# Altium PCB USB3.2_Hub_4Port.PcbDoc (part 1 of 4) (continued)
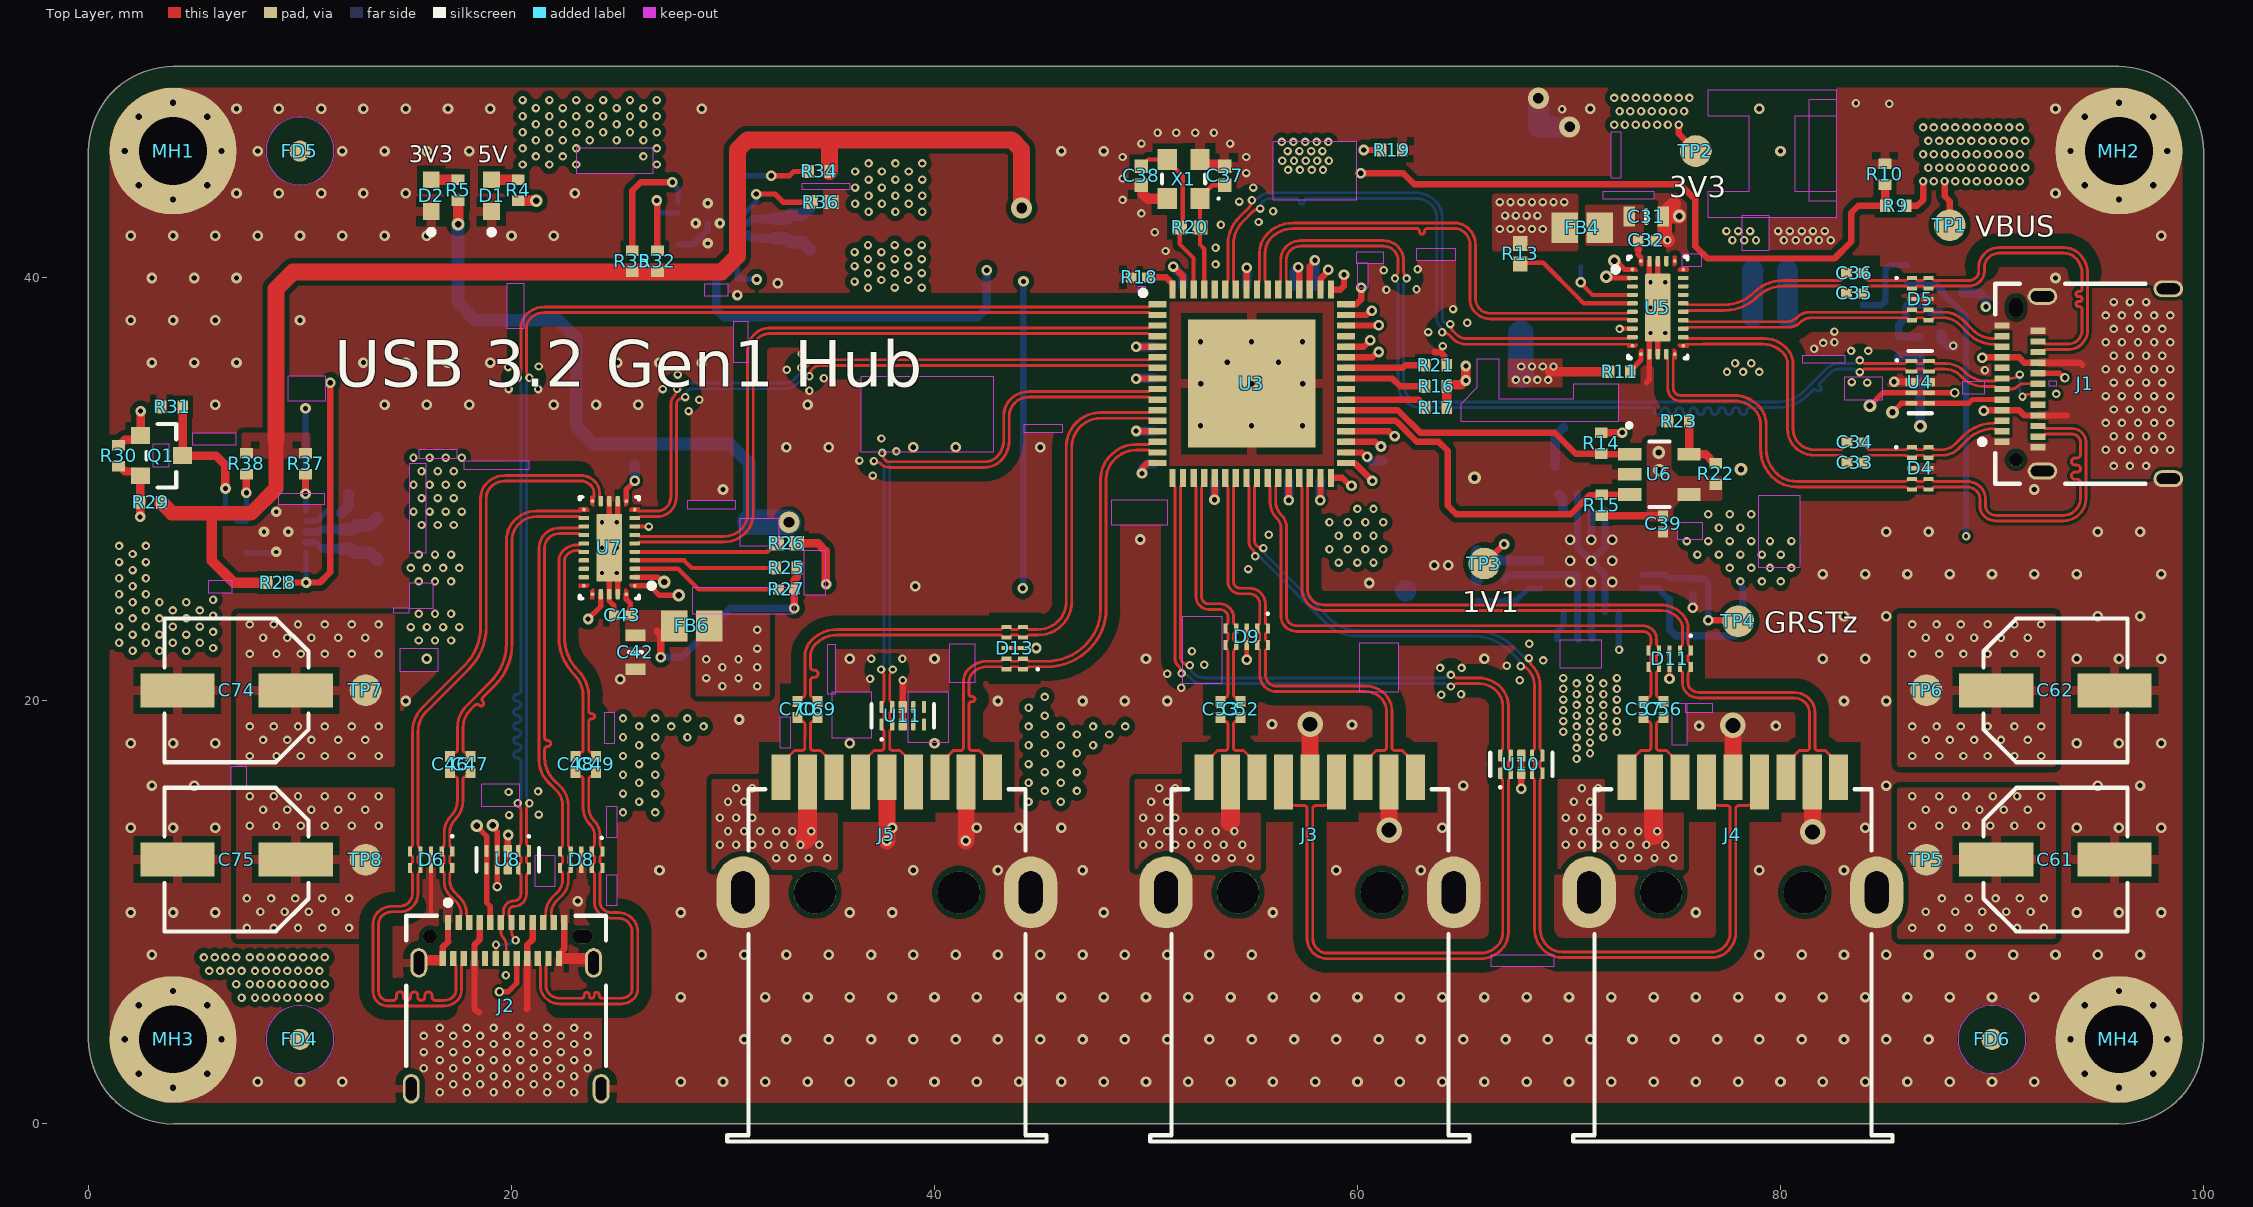
[diagram p0: Top Layer view]
## Design rules (kind name [scope] priority, off if disabled: settings)
BoardOutlineClearance BoardOutlineClearance_EdgeConnectors [InComponent('J1') OR InComponent('J2') OR OnLayer('Top Overlay')] p1: gap=0 ignorepadtopadclearanceinfootprint=FALSE
BoardOutlineClearance [All] p2: gap=1 ignorepadtopadclearanceinfootprint=FALSE
Clearance Clearance_Keepout [All vs IsKeepOut] p1: gap=0 ignorepadtopadclearanceinfootprint=TRUE
Clearance Clearance_USB_DiffVias [(InNetClass('USB_SuperSpeed') OR InNetClass('USB_HighSpeed')) AND IsVia vs (InNetClass('USB_SuperSpeed') OR InNetClass('USB_HighSpeed')) AND IsVia] p2: gap=0.2 ignorepadtopadclearanceinfootprint=FALSE except(0.15: Arc-Via Track-Via SMDPad-Via THPad-Via Via-Via Via-Fill Via-Poly Via-Region Via-Text Via-Hole)
Clearance Clearance_USB_ReturnVias [InNetClass('USB_SuperSpeed') OR InNetClass('USB_HighSpeed') vs InNet('GND') AND IsVia] p3: gap=0.2 ignorepadtopadclearanceinfootprint=TRUE except(0.12: Arc-SMDPad Track-SMDPad; 0.15: SMDPad-SMDPad)
Clearance Clearance_Rooms [WithinRoom('Room_TUSB') OR WithinRoom('Room_USB_UP') OR WithinRoom('Room_UP_MUX') OR WithinRoom('Room_DN_MUX') OR WithinRoom('Room_CONN_GND_1') OR WithinRoom('Room_CONN_GND_2') OR WithinRoom('Room_CONN_GND_3') OR WithinRoom('Room_CONN_GND_4') OR WithinRoom('Room_CONN_GND_5') OR WithinRoom('Room_CONN_GND_6')] p4: gap=0.15 ignorepadtopadclearanceinfootprint=TRUE except(0.12: Arc-Arc Arc-Track Arc-SMDPad Track-Track Track-SMDPad; 0.2: Arc-Text Arc-Hole Track-Text Track-Hole SMDPad-Text SMDPad-Hole THPad-Text THPad-Hole Via-Text Via-Hole Fill-Text Fill-Hole Poly-Text Poly-Hole Region-Text Region-Hole Text-Text Text-Hole)
Clearance Clearance_USB_Shield [InNetClass('USB_SuperSpeed') OR InNetClass('USB_HighSpeed') vs Not InNetClass('USB_SuperSpeed') And Not InNetClass('USB_HighSpeed')] p5: gap=0.6 ignorepadtopadclearanceinfootprint=TRUE except(0.12: Arc-SMDPad Track-SMDPad; 0.15: SMDPad-SMDPad; 0.2: Arc-Text Track-Text SMDPad-Text THPad-Text Via-Text Fill-Text Poly-Text Region-Text Text-Text; 0.254: Arc-Hole Track-Hole SMDPad-Hole THPad-Hole Via-Hole Fill-Hole Poly-Hole Region-Hole Text-Hole)
Clearance [All] p6: gap=0.254 ignorepadtopadclearanceinfootprint=TRUE except(0.12: Arc-Arc Arc-Track Arc-SMDPad Track-Track Track-SMDPad; 0.15: Arc-THPad Arc-Via Track-THPad Track-Via SMDPad-SMDPad SMDPad-THPad SMDPad-Via THPad-THPad THPad-Via Via-Via; 0.2: Arc-Text Track-Text SMDPad-Text THPad-Text Via-Text Fill-Text Poly-Text Region-Text Text-Text)
DiffPairsRouting DiffPairsRouting_USB_HS [InNetClass('USB_HighSpeed')] p1: maxlimit=0.254 minlimit=0.127 mostfreqgap=0.254 toplayer_maxgap=0.127 toplayer_prefgap=0.127 toplayer_minwidth=0.136 toplayer_maxwidth=0.136 toplayer_prefwidth=0.136 bottomlayer_maxgap=0.127 bottomlayer_prefgap=0.127 bottomlayer_minwidth=0.136 bottomlayer_maxwidth=0.136 bottomlayer_prefwidth=0.136 impedanceprofiledriven=TRUE impedanceprofileid={82B703A5-F581-4F9F-BC8E-C241746CB1AA} impedanceprofilevalue=90.000000 maxuncoupledlength=12
DiffPairsRouting DiffPairsRouting_USB_SS [InNetClass('USB_SuperSpeed')] p2: maxlimit=0.127 minlimit=0.127 mostfreqgap=0.127 toplayer_minwidth=0.136 toplayer_maxwidth=0.136 toplayer_prefwidth=0.136 bottomlayer_minwidth=0.136 bottomlayer_maxwidth=0.136 bottomlayer_prefwidth=0.136 impedanceprofiledriven=TRUE impedanceprofileid={82B703A5-F581-4F9F-BC8E-C241746CB1AA} impedanceprofilevalue=90.000000 maxuncoupledlength=5
HoleSize [All] p1: absolutevalues=TRUE maxlimit=6 minlimit=0.15 maxpercent=80.000 minpercent=20.000
HoleToHoleClearance [All] p1: gap=0.3 allowstackedmicrovias=TRUE
Length [InNetClass('USB_SuperSpeed') OR InNetClass('USB_HighSpeed')] p1: maxlimit=100 minlimit=0
MatchedLengths Matched_USB_HS [InNetClass('USB_HighSpeed')] p1: tolerance=3.8 checknetsindiffpair=TRUE checkdiffpairvsdiffpair=FALSE checkxsignals=FALSE checkothers=FALSE
MatchedLengths Matched_USB_SS [InNetClass('USB_SuperSpeed')] p2: tolerance=0.15 checknetsindiffpair=TRUE checkdiffpairvsdiffpair=FALSE checkxsignals=FALSE checkothers=FALSE
MaximumViaCount MaxVia_USB_HS [InNetClass('USB_HighSpeed')] p1: limit=4
MaximumViaCount MaxVia_USB_SS [InNetClass('USB_SuperSpeed')] p2: limit=2
MinimumAnnularRing [All] p1: minimumring=0.1
MinimumSolderMaskSliver [All] p1: minsoldermaskwidth=0
PlaneClearance [All] p1: clearance=0.25
PlaneConnect PlaneConnect_MH [InComponent('MH1') OR InComponent('MH2') OR InComponent('MH3') OR InComponent('MH4')] p1: planeconnectstyle=Direct reliefexpansion=0.508 reliefentries=4 reliefconductorwidth=0.254 reliefairgap=0.254
PlaneConnect [All] p2: pad.planeconnectstyle=Relief pad.reliefexpansion=0.508 pad.reliefentries=4 pad.reliefconductorwidth=0.35 pad.reliefairgap=0.35 via.planeconnectstyle=Direct via.reliefexpansion=0.508 via.reliefentries=4 via.reliefconductorwidth=0.254 via.reliefairgap=0.254
PolygonConnect DirectConnect [InNet('NetL1_1') OR WithinRoom('Room_3V3_1') OR WithinRoom('Room_3V3_2') OR WithinRoom('Room_1V1_F') OR WithinRoom('Room_3V3_UP_MUX') OR WithinRoom('Room_5V_UP_MUX') OR WithinRoom('Room_3V3_DN_MUX') OR WithinRoom('Room_5V_DN_MUX') OR InNet('NetC58_1') OR InNet('NetC71_1') OR WithinRoom('Room_USB_DN4') OR WithinRoom('Room_USB_DN3') OR WithinRoom('Room_USB_DN2') OR InComponent('TP5') OR InComponent('TP6') OR InComponent('TP7') OR InComponent('TP8') OR WithinRoom('Room_DN1_VBUS') OR WithinRoom('Room_DN2_VBUS') OR WithinRoom('Room_DN3_VBUS') OR WithinRoom('Room_DN4_VBUS') OR WithinRoom('Room_USB_UP') OR InNet('NetC44_1') OR WithinRoom('Room_DN1') OR WithinRoom('Room_MEM') OR WithinRoom('Room_5V_DN_1') OR WithinRoom('Room_5V_DN_2') OR WithinRoom('Room_5V_BUCK') OR InComponent('MH1') OR InComponent('MH2') OR InComponent('MH3') OR InComponent('MH4')] p1: connectstyle=Direct reliefconductorwidth=0.254 reliefentries=4 polygonreliefangle="90 Angle" airgapwidth=0.254
PolygonConnect [All] p2: thpad.connectstyle=Relief thpad.reliefconductorwidth=0.35 thpad.reliefentries=4 thpad.polygonreliefangle="90 Angle" thpad.airgapwidth=0.35 smdpad.connectstyle=Relief smdpad.reliefconductorwidth=0.45 smdpad.reliefentries=4 smdpad.polygonreliefangle="90 Angle" smdpad.airgapwidth=0.3 via.connectstyle=Direct via.reliefconductorwidth=0.254 via.reliefentries=4 via.polygonreliefangle="90 Angle" via.airgapwidth=0.254
ReturnPath [InNetClass('USB_SuperSpeed') OR InNetClass('USB_HighSpeed')] p1: impedanceprofileid={82B703A5-F581-4F9F-BC8E-C241746CB1AA} _gaplimit=0.5 _useantipads=TRUE maxstitchviadistance=2
RoomDefinition Room_USB_DN4 [InComponentClass('Room Definition1')] p1 off: confinementstyle=ConfineIn formatcopy=TRUE lockcomponents=FALSE outline 66.421,-1.321 86.233,-1.321 86.233,20.837 66.421,20.837
RoomDefinition Room_CONN_GND_3 [False] p2 off: confinementstyle=ConfineIn formatcopy=TRUE lockcomponents=FALSE outline 42.862,23.461 45.72,23.461 45.72,21.524 42.862,21.524
RoomDefinition Room_CONN_GND_5 [False] p3 off: confinementstyle=ConfineIn formatcopy=TRUE lockcomponents=FALSE outline 66.75,17.824 68.75,17.824 68.75,15.288 66.75,15.288
RoomDefinition Room_CONN_GND_2 [False] p4 off: confinementstyle=ConfineIn formatcopy=TRUE lockcomponents=FALSE outline 37.5,21.057 39.394,21.057 39.394,18.521 37.5,18.521
RoomDefinition Room_CONN_GND_6 [False vs False] p5 off: confinementstyle=ConfineIn formatcopy=TRUE lockcomponents=FALSE outline 73.752,22.867 75.752,22.867 75.752,20.523 73.752,20.523
RoomDefinition Room_CONN_GND_4 [False vs False] p6 off: confinementstyle=ConfineIn formatcopy=TRUE lockcomponents=FALSE outline 53.815,23.655 55.779,23.655 55.779,21.311 53.815,21.311
RoomDefinition Room_CONN_GND_1 [False] p7 off: confinementstyle=ConfineIn formatcopy=TRUE lockcomponents=FALSE outline 15.138,14.199 24.257,14.199 24.257,5.156 15.138,5.156
RoomDefinition Room_TUSB [False vs False] p8 off: confinementstyle=ConfineIn formatcopy=TRUE lockcomponents=FALSE outline 48.108,42.215 61.874,42.215 61.874,28.727 48.108,28.727
RoomDefinition Room_5V_BUCK [InComponentClass('Components Class1') vs False] p9 off: confinementstyle=ConfineIn formatcopy=TRUE lockcomponents=FALSE outline 85.979,47.879 85.979,42.926 84.963,41.91 84.963,40.132 92.71,40.132 92.71,47.879
RoomDefinition Room_5V_DN_2 [False vs False] p10 off: confinementstyle=ConfineIn formatcopy=TRUE lockcomponents=FALSE outline 0.838,28.092 6.833,28.092 6.833,21.793 0.838,21.793
RoomDefinition Room_5V_DN_1 [False vs False] p11 off: confinementstyle=ConfineIn formatcopy=TRUE lockcomponents=FALSE outline 19.888,49.149 27.432,49.149 27.432,44.729 19.888,44.729
RoomDefinition Room_MEM [All vs False] p12 off: confinementstyle=ConfineOut formatcopy=TRUE lockcomponents=FALSE outline 77.597,29.21 77.597,30.861 75.311,30.861 75.057,31.115 75.057,32.766 73.533,32.766 73.533,28.321 75.184,28.321 76.073,29.21
RoomDefinition Room_DN1 [False vs False] p13 off: confinementstyle=ConfineIn formatcopy=TRUE lockcomponents=FALSE outline 4.775,8.534 12.954,8.534 12.954,5.359 4.775,5.359
RoomDefinition Room_UP_MUX [False vs False] p14 off: confinementstyle=ConfineIn formatcopy=TRUE lockcomponents=FALSE outline 69.501,41.05 76.962,41.05 76.962,35.568 69.501,35.568
RoomDefinition Room_DN_MUX [False] p15 off: confinementstyle=ConfineIn formatcopy=TRUE lockcomponents=FALSE outline 22.241,31.267 31.852,31.267 31.852,24.282 22.241,24.282
RoomDefinition Room_USB_UP [InComponentClass('Room Definition5') vs False] p16 off: confinementstyle=ConfineIn formatcopy=TRUE lockcomponents=FALSE outline 84.82,27.483 101.321,27.483 101.321,40.869 84.82,40.869
RoomDefinition Room_USB_DN1 [InComponentClass('Room Definition4') vs False] p17 off: confinementstyle=ConfineIn formatcopy=TRUE lockcomponents=FALSE outline 10.998,0 27.305,0 27.305,14.044 10.998,14.044
RoomDefinition Room_DN4_VBUS [All vs False] p18 off: confinementstyle=ConfineOut formatcopy=TRUE lockcomponents=FALSE outline 33.325,42.367 33.325,44.145 34.976,44.145 34.976,46.05 40.437,46.05 40.437,42.367
RoomDefinition Room_DN3_VBUS [All vs False] p19 off: confinementstyle=ConfineOut formatcopy=TRUE lockcomponents=FALSE outline 33.325,42.215 33.325,40.437 34.976,40.437 34.976,38.532 40.437,38.532 40.437,42.215
RoomDefinition Room_DN2_VBUS [All vs False] p20 off: confinementstyle=ConfineOut formatcopy=TRUE lockcomponents=FALSE outline 12.827,27.813 18.161,27.813 18.161,32.004 14.732,32.004 14.732,29.464 12.827,29.464
RoomDefinition Room_DN1_VBUS [All vs False] p21 off: confinementstyle=ConfineOut formatcopy=TRUE lockcomponents=FALSE outline 12.827,27.559 18.161,27.559 18.161,22.352 14.732,22.352 14.732,25.908 12.827,25.908
RoomDefinition Room_USB_DN2 [InComponentClass('Room Definition3') vs False] p22 off: confinementstyle=ConfineIn formatcopy=TRUE lockcomponents=FALSE outline 26.492,-1.321 46.304,-1.321 46.304,18.567 26.492,18.567
RoomDefinition Room_USB_DN3 [InComponentClass('Room Definition2') vs False] p23 off: confinementstyle=ConfineIn formatcopy=TRUE lockcomponents=FALSE outline 46.482,-1.321 66.294,-1.321 66.294,18.567 46.482,18.567
RoomDefinition Room_5V_DN_MUX [False vs False] p24 off: confinementstyle=ConfineIn formatcopy=TRUE lockcomponents=FALSE outline 25.197,24.359 32.36,24.359 32.36,20.117 25.197,20.117
RoomDefinition Room_3V3_DN_MUX [False vs False] p25 off: confinementstyle=ConfineIn formatcopy=TRUE lockcomponents=FALSE outline 25.832,29.261 30.455,29.261 30.455,27.584 25.832,27.584
RoomDefinition Room_5V_UP_MUX [False vs False] p26 off: confinementstyle=ConfineIn formatcopy=TRUE lockcomponents=FALSE outline 66.142,44.069 73.685,44.069 73.685,41.275 66.142,41.275
RoomDefinition Room_3V3_UP_MUX [False vs False] p27 off: confinementstyle=ConfineIn formatcopy=TRUE lockcomponents=FALSE outline 68.555,38.71 73.076,38.71 73.076,36.5 68.555,36.5
RoomDefinition Room_1V1_F [False vs False] p28 off: confinementstyle=ConfineIn formatcopy=TRUE lockcomponents=FALSE outline 63.271,25.908 56.21,25.908 56.21,30.785 63.271,30.785
RoomDefinition Room_3V3_2 [False vs False] p29 off: confinementstyle=ConfineIn formatcopy=TRUE lockcomponents=FALSE outline 71.984,29.896 81.077,29.896 81.077,24.841 71.984,24.841
RoomDefinition Room_3V3_1 [False vs False] p30 off: confinementstyle=ConfineIn formatcopy=TRUE lockcomponents=FALSE outline 63.017,49.149 78.613,49.149 78.613,43.866 63.017,43.866
RoutingVias [All] p1: holewidth=0.3 width=0.6 viastyle="Through Hole" minholewidth=0.15 minwidth=0.4 maxholewidth=1 maxwidth=2
SilkToSilkClearance [All] p1: silktosilkclearance=0.15
SilkToSolderMaskClearance [IsPad] p1: minsilkscreentomaskgap=0 clearancetoexposedcopper=TRUE
SolderMaskExpansion [All] p1: expansion=0.076 istentingtop=FALSE
SupplyNets "Schematic Supply Nets_13" [InNet('5V_UP_MUX')] p1: voltage=0.000
SupplyNets "Schematic Supply Nets_12" [InNet('3V3_VDD_F')] p2: voltage=0.000
SupplyNets "Schematic Supply Nets_11" [InNet('5V_DN_MUX')] p3: voltage=0.000
SupplyNets "Schematic Supply Nets_10" [InNet('5V_VBUS')] p4: voltage=0.000
SupplyNets "Schematic Supply Nets_9" [InNet('3V3_VDD')] p5: voltage=0.000
SupplyNets "Schematic Supply Nets_8" [InNet('GND')] p6: voltage=0.000
SupplyNets "Schematic Supply Nets_7" [InNet('3V3_UP_MUX')] p7: voltage=0.000
SupplyNets "Schematic Supply Nets_6" [InNet('1V1_VDD')] p8: voltage=0.000
SupplyNets "Schematic Supply Nets_5" [InNet('DN1_VBUS')] p9: voltage=0.000
SupplyNets "Schematic Supply Nets_4" [InNet('3V3_DN_MUX')] p10: voltage=0.000
SupplyNets "Schematic Supply Nets_3" [InNet('DN4_VBUS')] p11: voltage=0.000
SupplyNets "Schematic Supply Nets_2" [InNet('1V1_VDD_F')] p12: voltage=0.000
SupplyNets "Schematic Supply Nets_1" [InNet('DN3_VBUS')] p13: voltage=0.000
SupplyNets "Schematic Supply Nets" [InNet('DN2_VBUS')] p14: voltage=0.000
UnRoutedNet [All] p1: checkbadconnections=TRUE
ViasUnderSMD [All] p1: allowed=TRUE
Width Width_Power [InNetClass('Power_Nets')] p1: maxlimit=3 minlimit=0.2 preferedwidth=0.5
Width [All] p2: maxlimit=1 minlimit=0.12 preferedwidth=0.25
21 further rules are at their usual default settings.

## Classes and differential pairs
component class "Components Class1": C12
component class "Room Definition5": C28 D3 J1
component class "Room Definition4": C44 C45 D7 FB7 J2
component class "Room Definition3": C67 C68 D14 FB11 J5
component class "Room Definition2": C50 C51 D10 FB8 J3
component class "Room Definition1": C54 C55 D12 FB9 J4
net class Power_Nets: 1V1_VDD 1V1_VDD_F 3V3_DN_MUX 3V3_UP_MUX 3V3_VDD 3V3_VDD_F 5V_DN_MUX 5V_UP_MUX 5V_VBUS DN1_VBUS DN2_VBUS DN3_VBUS DN4_VBUS GND
net class USB_SuperSpeed: SSRX1_DN1_CONN_N SSRX1_DN1_CONN_P SSRX1_UP_CONN_N SSRX1_UP_CONN_P SSRX2_DN1_CONN_N SSRX2_DN1_CONN_P SSRX2_UP_CONN_N SSRX2_UP_CONN_P SSTX1_DN1_C_N SSTX1_DN1_C_P SSTX1_DN1_CONN_N SSTX1_DN1_CONN_P SSTX1_UP_C_N SSTX1_UP_C_P SSTX1_UP_CONN_N SSTX1_UP_CONN_P SSTX2_DN1_C_N SSTX2_DN1_C_P SSTX2_DN1_CONN_N SSTX2_DN1_CONN_P SSTX2_UP_C_N SSTX2_UP_C_P SSTX2_UP_CONN_N SSTX2_UP_CONN_P SSTX_DN2_C_N SSTX_DN2_C_P SSTX_DN3_C_N SSTX_DN3_C_P SSTX_DN4_C_N SSTX_DN4_C_P USB_SSRX_DN1_N USB_SSRX_DN1_P USB_SSRX_DN2_N USB_SSRX_DN2_P USB_SSRX_DN3_N USB_SSRX_DN3_P USB_SSRX_DN4_N USB_SSRX_DN4_P USB_SSRX_UP_N USB_SSRX_UP_P USB_SSTX_DN1_N USB_SSTX_DN1_P USB_SSTX_DN2_N USB_SSTX_DN2_P USB_SSTX_DN3_N USB_SSTX_DN3_P USB_SSTX_DN4_N USB_SSTX_DN4_P USB_SSTX_UP_N USB_SSTX_UP_P
net class USB_HighSpeed: USB_DN1_N USB_DN1_P USB_DN2_N USB_DN2_P USB_DN3_N USB_DN3_P USB_DN4_N USB_DN4_P USB_UP_N USB_UP_P
component class Designator: C1 C2 C3 C4 C5 C6 C7 C8 C9 C10 C11 C12 C13 C14 C15 C16 C17 C18 C19 C20 C21 C22 C23 C24 C25 C26 C27 D1 D2 FB1 FB2 FD1 FD2 FD3 FD4 FD5 FD6 L1 MH1 MH2 MH3 MH4 R1 R2 R3 R4 R5 R6 R7 R8 TP1 TP2 TP3 U1 U2
differential pair USB_UP: +USB_UP_P -USB_UP_N
differential pair USB_SSTX_UP: +USB_SSTX_UP_P -USB_SSTX_UP_N
differential pair USB_SSTX_DN4: +USB_SSTX_DN4_P -USB_SSTX_DN4_N
differential pair USB_SSTX_DN3: +USB_SSTX_DN3_P -USB_SSTX_DN3_N
differential pair USB_SSTX_DN2: +USB_SSTX_DN2_P -USB_SSTX_DN2_N
differential pair USB_SSTX_DN1: +USB_SSTX_DN1_P -USB_SSTX_DN1_N
differential pair USB_SSRX_UP: +USB_SSRX_UP_P -USB_SSRX_UP_N
differential pair USB_SSRX_DN4: +USB_SSRX_DN4_P -USB_SSRX_DN4_N
differential pair USB_SSRX_DN3: +USB_SSRX_DN3_P -USB_SSRX_DN3_N
differential pair USB_SSRX_DN2: +USB_SSRX_DN2_P -USB_SSRX_DN2_N
differential pair USB_SSRX_DN1: +USB_SSRX_DN1_P -USB_SSRX_DN1_N
differential pair USB_DN4: +USB_DN4_P -USB_DN4_N
differential pair USB_DN3: +USB_DN3_P -USB_DN3_N
differential pair USB_DN2: +USB_DN2_P -USB_DN2_N
differential pair USB_DN1: +USB_DN1_P -USB_DN1_N
differential pair SSTX_DN4_C: +SSTX_DN4_C_P -SSTX_DN4_C_N
differential pair SSTX_DN3_C: +SSTX_DN3_C_P -SSTX_DN3_C_N
differential pair SSTX_DN2_C: +SSTX_DN2_C_P -SSTX_DN2_C_N
differential pair SSTX2_UP_CONN: +SSTX2_UP_CONN_P -SSTX2_UP_CONN_N
differential pair SSTX2_UP_C: +SSTX2_UP_C_P -SSTX2_UP_C_N
differential pair SSTX2_DN1_CONN: +SSTX2_DN1_CONN_P -SSTX2_DN1_CONN_N
differential pair SSTX2_DN1_C: +SSTX2_DN1_C_P -SSTX2_DN1_C_N
differential pair SSTX1_UP_CONN: +SSTX1_UP_CONN_P -SSTX1_UP_CONN_N
differential pair SSTX1_UP_C: +SSTX1_UP_C_P -SSTX1_UP_C_N
differential pair SSTX1_DN1_CONN: +SSTX1_DN1_CONN_P -SSTX1_DN1_CONN_N
differential pair SSTX1_DN1_C: +SSTX1_DN1_C_P -SSTX1_DN1_C_N
differential pair SSRX2_UP_CONN: +SSRX2_UP_CONN_P -SSRX2_UP_CONN_N
differential pair SSRX2_DN1_CONN: +SSRX2_DN1_CONN_P -SSRX2_DN1_CONN_N
differential pair SSRX1_UP_CONN: +SSRX1_UP_CONN_P -SSRX1_UP_CONN_N
differential pair SSRX1_DN1_CONN: +SSRX1_DN1_CONN_P -SSRX1_DN1_CONN_N

## Components (designator, comment, footprint, x,y, rotation, side; value= is the part's Value field where it differs from the comment)
C1 "10u" FP-GRM21B-0_2-e0_2_0_7-IPC_B 62.281,26.035 r270 bottom
C2 "100n" FP-GRT155-0_05-IPC_C 54.75,39.229 r270 bottom
C3 "100n" FP-GRT155-0_05-IPC_C 57.975,39.229 r270 bottom
C4 "100n" FP-GRT155-0_05-IPC_C 50.771,36.754 r0 bottom
C5 "100n" FP-GRT155-0_05-IPC_C 50.771,35.25 r0 bottom
C6 "100n" FP-GRT155-0_05-IPC_C 50.771,32.75 r0 bottom
C7 "100n" FP-GRT155-0_05-IPC_C 53.25,30.771 r90 bottom
C8 "100n" FP-GRT155-0_05-IPC_C 58.25,30.771 r90 bottom
C9 "100n" FP-GRT155-0_05-IPC_C 56.75,30.771 r90 bottom
C10 "6.8p" FP-GCM155-0_05-IPC_B 86.6,36.75 r90 bottom
C11 "10u" FP-GRM21B-0_2-e0_2_0_7-IPC_B 89.687,40.919 r0 bottom
C12 "100n" FP-GRT155-0_05-IPC_C 89.586,42.393 r0 bottom
C13 "10u" FP-GRM21B-0_2-e0_2_0_7-IPC_B 79.496,40.35 r0 bottom
C14 "10u" FP-GRM21B-0_2-e0_2_0_7-IPC_B 79.496,38.15 r0 bottom
C15 "100n" FP-GRT155-0_05-IPC_C 80.146,36.575 r0 bottom
C16 "10u" FP-GRM21B-0_2-e0_2_0_7-IPC_B 68.58,46.33 r90 bottom
C17 "100n" FP-GRT155-0_05-IPC_C 57,39.229 r270 bottom
C18 "100n" FP-GRT155-0_05-IPC_C 51.75,39.221 r270 bottom
C19 "100n" FP-GRT155-0_05-IPC_C 61.595,31.344 r0 bottom
C20 "100n" FP-GRT155-0_05-IPC_C 50.771,31.225 r0 bottom
C21 "4.7u" FP-GRM21B-0_2-e0_2_0_7-IPC_A 81.077,28.854 r0 bottom
C22 "4.7u" FP-GRM21B-0_2-e0_2_0_7-IPC_A 75.55,29.851 r90 bottom
C23 "100n" FP-GRT155-0_05-IPC_C 73.736,29.769 r90 bottom
C24 "10u" FP-GRM21B-0_2-e0_2_0_7-IPC_B 70.18,31.1 r0 bottom
C25 "100n" FP-GRT155-0_05-IPC_C 70.13,32.92 r0 bottom
C26 "2.2n" FP-AC0402-0_5-MFG 69.95,22.925 r180 bottom value="2.2 nF"
C27 "1u" FP-GRM155-0_1-IPC_C 75.85,25.404 r270 bottom
C28 "1u" CAPC1608X90N 95.733,40.818 r270 bottom
C29 "1u" CAPC1608X90N 70.95,36.15 r90 bottom
C30 "100n" FP-GRT155-0_05-IPC_C 72.085,36.551 r270 bottom
C31 "1u" CAPC1608X90N 73.65,42.9 r180 top
C32 "100n" FP-GRT155-0_05-IPC_C 73.65,41.775 r0 top
C33 "100n" FP-GRT155-0_05-IPC_C 83.515,31.267 r0 top
C34 "100n" FP-GRT155-0_05-IPC_C 83.515,32.233 r0 top
C35 "100n" FP-GRT155-0_05-IPC_C 83.49,39.268 r0 top
C36 "100n" FP-GRT155-0_05-IPC_C 83.49,40.234 r0 top
C37 "15pF" CAPC1005X56N 53.721,44.831 r270 top
C38 "15pF" CAPC1005X56N 49.784,44.831 r90 top
C39 "100n" FP-GRT155-0_05-IPC_C 74.447,28.372 r270 top
C40 "1u" CAPC1608X90N 27.889,29.718 r270 bottom
C41 "100n" FP-GRT155-0_05-IPC_C 26.797,29.3 r90 bottom
C42 "1u" CAPC1608X90N 25.857,22.301 r90 top
C43 "100n" FP-GRT155-0_05-IPC_C 25.248,24.054 r180 top
C44 "100n" FP-GRT155-0_05-IPC_C 13.15,2 r180 bottom
C45 "1u" CAPC1608X90N 12.725,3 r0 bottom
C46 "100n" FP-GRT155-0_05-IPC_C 17.094,17 r270 top
C47 "100n" FP-GRT155-0_05-IPC_C 18.059,17 r270 top
C48 "100n" FP-GRT155-0_05-IPC_C 23.038,17 r270 top
C49 "100n" FP-GRT155-0_05-IPC_C 24.003,17 r270 top
C50 "1u" CAPC1608X90N 48,14 r0 bottom
C51 "100n" FP-GRT155-0_05-IPC_C 48.148,12.975 r180 bottom
C52 "100n" FP-GRT155-0_05-IPC_C 54.475,19.6 r270 top
C53 "100n" FP-GRT155-0_05-IPC_C 53.525,19.6 r270 top
C54 "1u" CAPC1608X90N 68,14 r0 bottom
C55 "100n" FP-GRT155-0_05-IPC_C 68.148,12.975 r180 bottom
C56 "100n" FP-GRT155-0_05-IPC_C 74.475,19.6 r270 top
C57 "100n" FP-GRT155-0_05-IPC_C 73.525,19.6 r270 top
C58 "4.7u" FP-GRM21B-0_2-e0_2_0_7-IPC_A 24.478,41.235 r270 bottom
C59 "100n" FP-GRT155-0_05-IPC_C 25.878,41.307 r270 bottom
C60 "100n" FP-GRT155-0_05-IPC_C 26.878,41.307 r270 bottom
C61 "47u" WCAP-ASLL_D6.3H5.5 93,12.5 r180 top
C62 "47u" WCAP-ASLL_D6.3H5.5 93,20.5 r180 top
C63 "10u" FP-GRM21B-0_2-e0_2_0_7-IPC_B 34.087,40.538 r270 bottom
C64 "100n" FP-GRT155-0_05-IPC_C 32.436,41.504 r270 bottom
C65 "10u" FP-GRM21B-0_2-e0_2_0_7-IPC_B 34.087,44.145 r90 bottom
C66 "100n" FP-GRT155-0_05-IPC_C 32.436,43.18 r90 bottom
C67 "1u" CAPC1608X90N 27.991,13.208 r0 bottom
C68 "100n" FP-GRT155-0_05-IPC_C 28.854,11.887 r270 bottom
C69 "100n" FP-GRT155-0_05-IPC_C 34.476,19.6 r270 top
C70 "100n" FP-GRT155-0_05-IPC_C 33.526,19.6 r270 top
C71 "4.7u" FP-GRM21B-0_2-e0_2_0_7-IPC_A 4.267,30.099 r90 bottom
C72 "100n" FP-GRT155-0_05-IPC_C 6.55,26.8 r270 bottom
C73 "100n" FP-GRT155-0_05-IPC_C 5.55,26.779 r270 bottom
C74 "47u" WCAP-ASLL_D6.3H5.5 7,20.5 r0 top
C75 "47u" WCAP-ASLL_D6.3H5.5 7,12.5 r0 top
C76 "10u" FP-GRM21B-0_2-e0_2_0_7-IPC_B 13.64,25.857 r270 bottom
C77 "100n" FP-GRT155-0_05-IPC_C 11.95,26.821 r270 bottom
C78 "10u" FP-GRM21B-0_2-e0_2_0_7-IPC_B 13.64,29.464 r90 bottom
C79 "100n" FP-GRT155-0_05-IPC_C 11.95,28.5 r90 bottom
D1 "Green" FP-LTST-C190KGKT-MFG 19.057,43.894 r90 top
D2 "Blue" FP-LTST-C193TBKT-5A-MFG 16.207,43.894 r90 top
D3 "SMAJ5.0A" BOUR-SMA-2_V 95.834,27.356 r90 bottom
D4 "PUSB3FR4Z" FP-SOT1176-1-MFG 86.6,31 r90 top
D5 "PUSB3FR4Z" FP-SOT1176-1-MFG 86.6,39 r90 top
D6 "PUSB3FR4Z" FP-SOT1176-1-MFG 16.2,12.5 r0 top
D7 "SMAJ5.0A" BOUR-SMA-2_V 28,4.85 r180 bottom
D8 "PUSB3FR4Z" FP-SOT1176-1-MFG 23.3,12.5 r0 top
D9 "PUSB3FR4Z" FP-SOT1176-1-MFG 54.762,23.038 r0 top
D10 "SMAJ5.0A" BOUR-SMA-2_V 57.6,14.5 r180 bottom
D11 "PUSB3FR4Z" FP-SOT1176-1-MFG 74.752,22 r0 top
D12 "SMAJ5.0A" BOUR-SMA-2_V 77.6,14.5 r180 bottom
D13 "PUSB3FR4Z" FP-SOT1176-1-MFG 43.787,22.5 r270 top
D14 "SMAJ5.0A" BOUR-SMA-2_V 37.6,14.5 r180 bottom
FB1 "220 @ 100Mhz" FP-BLM21-0_2-t0_85-e0_5-IPC_B 63.221,28.804 r180 bottom
FB2 "220 @ 100Mhz" FP-BLM21-0_2-t0_85-e0_5-IPC_B 71.649,45.511 r180 bottom
FB3 "220 @ 100Mhz" FP-BLM21-0_2-t0_85-e0_5-IPC_B 68.551,37.4 r0 bottom
FB4 "220 @ 100Mhz" FP-BLM21-0_2-t0_85-e0_5-IPC_B 70.625,42.375 r0 top
FB5 "220 @ 100Mhz" FP-BLM21-0_2-t0_85-e0_5-IPC_B 30.429,28.448 r180 bottom
FB6 "220 @ 100Mhz" FP-BLM21-0_2-t0_85-e0_5-IPC_B 28.524,23.546 r180 top
FB7 "220 @ 100Mhz" FP-BLM21-0_2-t0_85-e0_5-IPC_B 13.056,7.239 r0 bottom
FB8 "220 @ 100Mhz" FP-BLM21-0_2-t0_85-e0_5-IPC_B 49,16.5 r270 bottom
FB9 "220 @ 100Mhz" FP-BLM21-0_2-t0_85-e0_5-IPC_B 69,16.5 r270 bottom
FB10 "220 @ 100Mhz" FP-BLM21-0_2-t0_85-e0_5-IPC_B 24.478,44.636 r270 bottom
FB11 "220 @ 100Mhz" FP-BLM21-0_2-t0_85-e0_5-IPC_B 29,16.5 r270 bottom
FB12 "220 @ 100Mhz" FP-BLM21-0_2-t0_85-e0_5-IPC_B 4.216,26.695 r90 bottom
FD1 "Fiducial_Marker" Fiducial_Standard#1 90,4 r180 bottom locked
FD2 "Fiducial_Marker" Fiducial_Standard#1 10,46 r180 bottom locked
FD3 "Fiducial_Marker" Fiducial_Standard#1 10,4 r180 bottom locked
FD4 "Fiducial_Marker" Fiducial_Standard#2 10,4 r0 top locked
FD5 "Fiducial_Marker" Fiducial_Standard#2 10,46 r0 top locked
FD6 "Fiducial_Marker" Fiducial_Standard#2 90,4 r0 top locked
J1 "12401610E4#2A" FP-12401610E4#2A-MFG 95.5,35 r90 top locked
J2 "12401610E4#2A" FP-12401610E4#2A-MFG 19.75,4.5 r0 top locked
J3 "692122030100" 692122030100 57.75,7.5 r0 top locked
J4 "692122030100" 692122030100 77.75,7.5 r0 top locked
J5 "692122030100" 692122030100 37.75,7.5 r0 top locked
L1 "2.2uH" IND_ETQP3M3R3YFP 79.604,45.872 r180 bottom
MH1 "Mounting_Hole_M3" MH_M3_Stitched 4,46 r0 top locked
MH2 "Mounting_Hole_M3" MH_M3_Stitched 96,46 r0 top locked
MH3 "Mounting_Hole_M3" MH_M3_Stitched 4,4 r0 top locked
MH4 "Mounting_Hole_M3" MH_M3_Stitched 96,4 r0 top locked
Q1 "DMG2305UX-13" FP-SOT23-MFG 3.45,31.6 r0 top
R1 "453k" FP-ERJ2RK-MFG 85.575,36.75 r270 bottom
R2 "100k" FP-AC0402-MFG 88.15,39.35 r0 bottom
R3 "100k" FP-AC0402-MFG 87.579,37.846 r90 bottom
R4 "2.2k" FP-AC0402-MFG 20.32,44.145 r270 top
R5 "470" FP-AC0402-MFG 17.475,44.145 r270 top
R6 "100k" FP-AC0402-MFG 74.75,25.325 r270 bottom
R7 "1.87k" FP-AC0402-IPC_A 65.65,25.225 r90 bottom
R8 "4.99k" FP-AC0402-IPC_A 66.95,25.225 r270 bottom
R9 "90.9k" FP-AC0402-MFG 85.446,43.409 r0 top
R10 "10k" FP-AC0402-MFG 84.938,44.899 r270 top
R11 "200k" FP-AC0402-MFG 72.39,35.56 r180 top
R12 "4.7k" FP-AC0402-MFG 70.053,40.538 r0 bottom
R13 "909k" FP-AC0402-IPC_A 67.691,41.148 r270 top
R14 "4.7k" FP-AC0402-MFG 71.526,32.182 r90 top
R15 "4.7k" FP-AC0402-MFG 71.552,29.261 r270 top
R16 "10k" FP-AC0402-MFG 63.711,34.873 r180 top
R17 "10k" FP-AC0402-MFG 63.711,33.873 r180 top
R18 "9.53k" FP-AC0402-IPC_C 49.682,40.03 r180 top
R19 "10k" FP-AC0402-MFG 61.62,46.05 r180 top
R20 "1M" FP-AC0402-IPC_A 52.07,42.393 r180 top
R21 "10k" FP-AC0402-MFG 63.711,35.873 r0 top
R22 "10k" FP-AC0402-MFG 76.937,30.734 r90 top
R23 "10k" FP-AC0402-MFG 75.184,33.223 r180 top
R24 "200k" FP-AC0402-MFG 25.832,31.648 r90 bottom
R25 "4.7k" FP-AC0402-MFG 33,26.289 r180 top
R26 "909k" FP-AC0402-IPC_A 33,27.457 r180 top
R27 "499k" FP-AC0402-IPC_C 33,25.273 r180 top
R28 "10k" FP-AC0402-MFG 8.95,25.6 r0 top
R29 "10k" FP-AC0402-MFG 2.946,29.388 r180 top
R30 "100k" FP-AC0402-MFG 1.422,31.6 r90 top
R31 "100k" FP-AC0402-MFG 3.95,33.9 r0 top
R32 "10k" FP-AC0402-MFG 26.903,40.785 r90 top
R33 "10k" FP-AC0402-MFG 30.175,39.98 r0 bottom
R34 "10k" FP-AC0402-MFG 34.544,45.034 r180 top
R35 "10k" FP-AC0402-MFG 25.703,40.785 r90 top
R36 "56k" FP-AC0402-IPC_A 34.616,43.586 r180 top
R37 "10k" FP-AC0402-MFG 10.262,31.217 r270 top
R38 "10k" FP-AC0402-MFG 7.468,31.217 r270 top
R39 "37.4k" FP-AC0402-IPC_B 11.481,30.632 r270 bottom
TP1 "Test_Point" Test_Point#1 88,42.5 r0 bottom
TP2 "Test_Point" Test_Point#1 76,46 r270 bottom
TP3 "Test_Point" Test_Point#2 66,26.5 r270 top
TP4 "Test_Point" Test_Point#1 78.003,23.774 r270 bottom
TP5 "Test_Point" Test_Point#2 86.9,12.5 r90 top
TP6 "Test_Point" Test_Point#2 86.9,20.5 r90 top
TP7 "Test_Point" Test_Point#3 12.7,20.5 r90 top
TP8 "Test_Point" Test_Point#3 12.7,12.5 r90 top
U1 "TLV62569PDDCT" FP-DDC0006A-IPC_C 84.926,39.667 r0 bottom
U2 "TPS74801RGWRM3" TI-RGW20-3150X3150TP_V 71.05,26.625 r270 bottom
U3 "TUSB8044ARGCR" QFN50P900X900X100-65N-D 55,35 r0 top locked
U4 "TPD4E05U06QDQARQ1" FP-DQA0010A-MFG 86.6,35.075 r0 top value=0.5pF
U5 "HD3SS3220IRNHT" FP-RNH0030A-MFG 74.2,38.6 r0 top locked
U6 "24LC08BT-I/OT" FP-C04-091-OT-MFG 74.276,30.716 r0 top
U7 "HD3SS3220IRNHT" FP-RNH0030A-MFG 24.625,27.25 r180 top
U8 "TPD4E05U06QDQARQ1" FP-DQA0010A-MFG 19.825,12.5 r270 top value=0.5pF
U9 "TPS2561QDRCRQ1" DRC0010A_V 29.278,42.585 r0 bottom
U10 "TPD4E05U06QDQARQ1" FP-DQA0010A-MFG 67.75,17 r90 top value=0.5pF
U11 "TPD4E05U06QDQARQ1" FP-DQA0010A-MFG 38.5,19.3 r90 top value=0.5pF
U12 "TPS2561QDRCRQ1" DRC0010A_V 8.875,28 r0 bottom
X1 "24MHz" ABM10N240000MHZ10B1UT3 51.779,44.679 r90 top

## Footprints (in the part's own frame and the unit in brackets; to place one, negate y for a bottom-side part, rotate by r counter-clockwise, add the part's x,y. Pads: shape width x height; smd on the part's side, far side on the other; paste and mask are expansions set on the pad)
692122030100 [mm] "USB 3.0 Type A Horizontal SMD"
  rect 0.9x2.6 smd: 1(-3.75,8.67) 2(-1.25,8.67) 3(1.25,8.67) 4(3.75,8.67)
  rect 0.9x2.15 smd: 5(5,8.895) 6(2.5,8.895) 7(0,8.895) 8(-2.5,8.895) 9(-5,8.895)
  round 2 hole 2 unplated: MH1(-3.4,3.45) MH2(3.4,3.45)
  oval 2.52x3.4 hole 1.12 slot 2 at 90 deg: Shell(-6.8,3.45) Shell(6.8,3.45)
  silkscreen extent -7.55,-8.33 7.55,8.33, body extent -7.55,-8.33 7.55,9.47, height 7.95
ABM10N240000MHZ10B1UT3 [mm]
  rect 1x0.9 smd: 1(-0.925,-0.775) 2(0.925,-0.775) 3(0.925,0.775) 4(-0.925,0.775)
  silkscreen extent -0.97,-1.7 0.2,1.02, body extent -1.28,-1.02 1.28,1.02, height 0.65
BOUR-SMA-2_V [mm] "SMA, 2-Leads, Body 4.57x2.92mm"
  rect 1.27x2.1 smd: 1(-1.985,0) 2(1.985,0)
  silkscreen extent -2.3,-1.5 3.12,1.5, body extent -2.5,-1.46 2.5,1.46, height 2.62
CAPC1005X56N [mm]
  rect 0.65x0.64 smd: 1(-0.45,0) 2(0.45,0)
  body extent -0.5,-0.25 0.5,0.25, height 0.56
CAPC1608X90N [mm]
  rect 0.54x0.94 smd: 1(-0.8,0) 2(0.8,0)
  silkscreen extent 0,-0.3 0,0.3, body extent -0.8,-0.46 0.8,0.44, height 0.8
DRC0010A_V [mm] "SON, 10-Leads, Body 3x3mm, Pitch 0.5mm, Thermal Pad 2.4x1.65mm, TI Recommended"
  rrect42% 0.6x0.24 smd: 1(-1.4,1) 2(-1.4,0.5) 3(-1.4,0) 4(-1.4,-0.5) 5(-1.4,-1) 6(1.4,-1) 7(1.4,-0.5) 8(1.4,0) 9(1.4,0.5) 10(1.4,1)
  rrect6% 1.65x2.4 smd paste-0.825: 11(0,0)
  silkscreen extent -1.7,-1.7 1.7,1.7, body extent -1.55,-1.55 1.55,1.55, height 1.01
Fiducial_Standard#1 [mm]
  round 1 smd mask+0: ""(0,0)
Fiducial_Standard#2 [mm]
  round 1 smd mask+1: ""(0,0)
FP-12401610E4#2A-MFG [mm]
  rrect100% 0.8x1.4 hole 0.5 slot 1.1 at 90 deg paste-2539.97 mask+0: 1(-4.13,3.115) 2(4.13,3.115) 3(-4.49,-2.835) 4(4.49,-2.835)
  rect 0.3x0.7 smd paste+0 mask+0: A1(-2.75,5.025) A2(-2.25,5.025) A3(-1.75,5.025) A4(-1.25,5.025) A5(-0.75,5.025) A6(-0.25,5.025) A7(0.25,5.025) A8(0.75,5.025) A9(1.25,5.025) A10(1.75,5.025) A11(2.25,5.025) A12(2.75,5.025) B1(2.5,3.325) B2(2,3.325) B3(1.5,3.325) B4(1,3.325) B5(0.5,3.325) B6(0,3.325) B7(-0.5,3.325) B8(-1,3.325) B9(-1.5,3.325) B10(-2,3.325) B11(-2.5,3.325) B12(-3,3.325)
  round 0.65 hole 0.65 unplated paste-2539.97 mask+0: ""(-3.6,4.365)
  rrect100% 0.95x0.65 hole 0.65 slot 0.95 at 0 deg unplated paste-2539.97 mask+0: ""(3.6,4.365)
  silkscreen extent -4.72,-1.76 4.72,6.09, body extent -4.99,-5.45 4.99,5.48, height 0.25
FP-AC0402-0_5-MFG [mm]
  rect 0.5x0.5 smd paste+0 mask+0: 1(-0.5,0) 2(0.5,0)
  body extent -0.5,-0.25 0.5,0.25, height 0.55
FP-AC0402-IPC_A [mm]
  rect 0.715x0.672 smd paste+0 mask+0: 1(-0.479,0) 2(0.479,0)
  body extent -0.5,-0.25 0.5,0.25, height 0.37
FP-AC0402-IPC_B [mm]
  rect 0.615x0.572 smd paste+0 mask+0: 1(-0.429,0) 2(0.429,0)
  body extent -0.5,-0.25 0.5,0.25, height 0.37
FP-AC0402-IPC_C [mm]
  rect 0.515x0.472 smd paste+0 mask+0: 1(-0.379,0) 2(0.379,0)
  body extent -0.74,-0.38 0.74,0.38, height 0.25
FP-AC0402-MFG [mm]
  rect 0.5x0.6 smd paste+0 mask+0: 1(-0.5,0) 2(0.5,0)
  body extent -0.5,-0.25 0.5,0.25, height 0.37
FP-BLM21-0_2-t0_85-e0_5-IPC_B [mm]
  rect 1.255x1.456 smd paste+0 mask+0: 1(-0.826,0) 2(0.826,0)
  body extent -1,-0.63 1,0.63, height 1.05
FP-C04-091-OT-MFG [mm]
  rect 1.1x0.6 smd paste+0 mask+0: 1(-1.4,0.95) 2(-1.4,0) 3(-1.4,-0.95) 4(1.4,-0.95) 5(1.4,0.95)
  silkscreen extent -1.53,-1.55 0.48,2.41, body extent -2.05,-1.9 2.05,1.9, height 0.25
FP-DDC0006A-IPC_C [mm]
  rect 1.254x0.532 smd paste+0 mask+0: 1(-1.05,0.95)
  rrect100% 1.254x0.532 smd paste+0 mask+0: 2(-1.05,0) 3(-1.05,-0.95) 4(1.05,-0.95) 5(1.05,0) 6(1.05,0.95)
  silkscreen extent -2.37,-1.7 1.4,1.7, body extent -1.4,-1.45 1.4,1.45, height 1.1
FP-DQA0010A-MFG [mm]
  rrect50% 0.565x0.2 smd paste+0 mask+0: 1(-0.417,1) 2(-0.417,0.5) 4(-0.417,-0.5) 5(-0.417,-1) 6(0.417,-1) 7(0.417,-0.5) 9(0.417,0.5) 10(0.417,1)
  rrect25% 0.565x0.4 smd paste-1000 mask+0: 3(-0.417,0) 8(0.417,0)
  silkscreen extent -1.15,-1.48 0.55,1.48, body extent -0.8,-1.4 0.8,1.4, height 0.25
FP-ERJ2RK-MFG [mm]
  rect 0.475x0.5 smd paste+0 mask+0: 1(-0.513,0) 2(0.513,0)
  body extent -0.5,-0.25 0.5,0.25, height 0.4
FP-GCM155-0_05-IPC_B [mm]
  rect 0.615x0.572 smd paste+0 mask+0: 1(-0.429,0) 2(0.429,0)
  body extent -0.5,-0.25 0.5,0.25, height 0.55
FP-GRM21B-0_2-e0_2_0_7-IPC_A [mm]
  rect 1.455x1.556 smd paste+0 mask+0: 1(-0.926,0) 2(0.926,0)
  body extent -1,-0.63 1,0.63, height 1.45
FP-GRM21B-0_2-e0_2_0_7-IPC_B [mm]
  rect 1.255x1.456 smd paste+0 mask+0: 1(-0.826,0) 2(0.826,0)
  body extent -1,-0.63 1,0.63, height 1.45
FP-GRM155-0_1-IPC_C [mm]
  rect 0.515x0.472 smd paste+0 mask+0: 1(-0.379,0) 2(0.379,0)
  body extent -0.5,-0.25 0.5,0.25, height 0.6
FP-GRT155-0_05-IPC_C [mm]
  rect 0.515x0.472 smd paste+0 mask+0: 1(-0.379,0) 2(0.379,0)
  body extent -0.5,-0.25 0.5,0.25, height 0.55
FP-LTST-C190KGKT-MFG [mm]
  rect 0.8x0.8 smd paste+0 mask+0: 1(-0.75,0) 2(0.75,0)
  silkscreen extent -1.85,-0.13 -1.6,0.12, body extent -1.25,-0.55 1.25,0.55, height 0.25
FP-LTST-C193TBKT-5A-MFG [mm]
  rect 0.8x0.8 smd paste+0 mask+0: 1(-0.75,0) 2(0.75,0)
  silkscreen extent -1.85,-0.13 -1.6,0.12, body extent -1.25,-0.55 1.25,0.55, height 0.25
FP-RNH0030A-MFG [mm]
  round 0.18 smd paste+0 mask+0: 1(-1.2,1.8) 10(-1.2,-1.8) 11(-0.8,-2.2) 15(0.8,-2.2) 16(1.2,-1.8) 25(1.2,1.8) 26(0.8,2.2) 30(-0.8,2.2)
  rrect50% 0.5x0.2 smd paste+0 mask+0: 2(-1.2,1.4) 3(-1.2,1) 4(-1.2,0.6) 5(-1.2,0.2) 6(-1.2,-0.2) 7(-1.2,-0.6) 8(-1.2,-1) 9(-1.2,-1.4) 17(1.2,-1.4) 18(1.2,-1) 19(1.2,-0.6) 20(1.2,-0.2) 21(1.2,0.2) 22(1.2,0.6) 23(1.2,1) 24(1.2,1.4)
  rrect50% 0.2x0.5 smd paste+0 mask+0: 12(-0.4,-2.2) 13(0,-2.2) 14(0.4,-2.2) 27(0.4,2.2) 28(0,2.2) 29(-0.4,2.2)
  rrect8% 1.2x3.2 smd paste-1000 mask+0: 31(0,0)
  Top Layer region: -1.4,-1.9 -1.04,-1.9 -0.95,-1.81 -0.95,-1.75 -0.957,-1.725 -0.975,-1.707 -1,-1.7 -1,-1.7 -1.4,-1.7 -1.425,-1.707 -1.443,-1.725 -1.45,-1.75 -1.45,-1.75 -1.45,-1.85 -1.446,-1.869 -1.435,-1.885 -1.419,-1.896 -1.4,-1.9
  Top Layer region: -0.9,-2.4 -0.9,-2.04 -0.81,-1.95 -0.75,-1.95 -0.725,-1.957 -0.707,-1.975 -0.7,-2 -0.7,-2 -0.7,-2.4 -0.707,-2.425 -0.725,-2.443 -0.75,-2.45 -0.75,-2.45 -0.85,-2.45 -0.869,-2.446 -0.885,-2.435 -0.896,-2.419 -0.9,-2.4
  Top Layer region: -1.4,1.9 -1.04,1.9 -0.95,1.81 -0.95,1.75 -0.957,1.725 -0.975,1.707 -1,1.7 -1,1.7 -1.4,1.7 -1.425,1.707 -1.443,1.725 -1.45,1.75 -1.45,1.75 -1.45,1.85 -1.446,1.869 -1.435,1.885 -1.419,1.896 -1.4,1.9
  Top Layer region: 1.4,-1.9 1.04,-1.9 0.95,-1.81 0.95,-1.75 0.957,-1.725 0.975,-1.707 1,-1.7 1,-1.7 1.4,-1.7 1.425,-1.707 1.443,-1.725 1.45,-1.75 1.45,-1.75 1.45,-1.85 1.446,-1.869 1.435,-1.885 1.419,-1.896 1.4,-1.9
  Top Layer region: 0.9,-2.4 0.9,-2.04 0.81,-1.95 0.75,-1.95 0.725,-1.957 0.707,-1.975 0.7,-2 0.7,-2 0.7,-2.4 0.707,-2.425 0.725,-2.443 0.75,-2.45 0.75,-2.45 0.85,-2.45 0.869,-2.446 0.885,-2.435 0.896,-2.419 0.9,-2.4
  Top Layer region: -0.9,2.4 -0.9,2.04 -0.81,1.95 -0.75,1.95 -0.725,1.957 -0.707,1.975 -0.7,2 -0.7,2 -0.7,2.4 -0.707,2.425 -0.725,2.443 -0.75,2.45 -0.75,2.45 -0.85,2.45 -0.869,2.446 -0.885,2.435 -0.896,2.419 -0.9,2.4
  Top Layer region: 0.9,2.4 0.9,2.04 0.81,1.95 0.75,1.95 0.725,1.957 0.707,1.975 0.7,2 0.7,2 0.7,2.4 0.707,2.425 0.725,2.443 0.75,2.45 0.75,2.45 0.85,2.45 0.869,2.446 0.885,2.435 0.896,2.419 0.9,2.4
  Top Layer region: 1.4,1.9 1.04,1.9 0.95,1.81 0.95,1.75 0.957,1.725 0.975,1.707 1,1.7 1,1.7 1.4,1.7 1.425,1.707 1.443,1.725 1.45,1.75 1.45,1.75 1.45,1.85 1.446,1.869 1.435,1.885 1.419,1.896 1.4,1.9
  silkscreen extent -2.12,-2.4 1.4,2.4, body extent -1.55,-2.55 1.55,2.55, height 0.25
FP-SOT23-MFG [mm]
  rect 0.9x0.8 smd paste+0 mask+0: 1(-1,0.95) 2(-1,-0.95) 3(1,0)
  silkscreen extent -0.7,-1.5 0.7,1.5, body extent -1.55,-1.6 1.55,1.6, height 0.25
FP-SOT1176-1-MFG [mm]
  rect 0.2x0.475 smd paste+0 mask-1000: 1(1,0.387) 2(0.5,0.387) 3(0,0.387) 4(-0.5,0.387) 5(-1,0.387) 6(-1,-0.387) 7(-0.5,-0.387) 8(0,-0.387) 9(0.5,-0.387) 10(1,-0.387)
  silkscreen extent 0.95,1.08 1.05,1.18, body extent -1.4,-0.77 1.4,0.77, height 0.25
IND_ETQP3M3R3YFP [mm]
  rect 2.5x3.6 smd: 1(-2.35,0) 2(2.35,0)
  Keep-Out Layer region: 3.05,1.8 1.1,1.8 1.1,-1.8 3.05,-1.8 3.05,-3 -3.05,-3 -3.05,-1.8 -1.1,-1.8 -1.1,1.8 -3.05,1.8 -3.05,3 3.05,3
  silkscreen extent -2.75,-2.5 2.75,2.5, body extent -2.75,-2.5 2.75,2.5, height 3
MH_M3_Stitched [mm]
  round 6 hole 3.2 mask+0: 1(0,0)
QFN50P900X900X100-65N-D [mm]
  rect 0.85x0.3 smd: 1(-4.45,3.75) 2(-4.45,3.25) 3(-4.45,2.75) 4(-4.45,2.25) 5(-4.45,1.75) 6(-4.45,1.25) 7(-4.45,0.75) 8(-4.45,0.25) 9(-4.45,-0.25) 10(-4.45,-0.75) 11(-4.45,-1.25) 12(-4.45,-1.75) 13(-4.45,-2.25) 14(-4.45,-2.75) 15(-4.45,-3.25) 16(-4.45,-3.75) 33(4.45,-3.75) 34(4.45,-3.25) 35(4.45,-2.75) 36(4.45,-2.25) 37(4.45,-1.75) 38(4.45,-1.25) 39(4.45,-0.75) 40(4.45,-0.25) 41(4.45,0.25) 42(4.45,0.75) 43(4.45,1.25) 44(4.45,1.75) 45(4.45,2.25) 46(4.45,2.75) 47(4.45,3.25) 48(4.45,3.75)
  rect 0.3x0.85 smd: 17(-3.75,-4.45) 18(-3.25,-4.45) 19(-2.75,-4.45) 20(-2.25,-4.45) 21(-1.75,-4.45) 22(-1.25,-4.45) 23(-0.75,-4.45) 24(-0.25,-4.45) 25(0.25,-4.45) 26(0.75,-4.45) 27(1.25,-4.45) 28(1.75,-4.45) 29(2.25,-4.45) 30(2.75,-4.45) 31(3.25,-4.45) 32(3.75,-4.45) 49(3.75,4.45) 50(3.25,4.45) 51(2.75,4.45) 52(2.25,4.45) 53(1.75,4.45) 54(1.25,4.45) 55(0.75,4.45) 56(0.25,4.45) 57(-0.25,4.45) 58(-0.75,4.45) 59(-1.25,4.45) 60(-1.75,4.45) 61(-2.25,4.45) 62(-2.75,4.45) 63(-3.25,4.45) 64(-3.75,4.45)
  rect 6.05x6.05 smd: 65(0,0)
  silkscreen extent -5.26,4.17 -5.01,4.42, body extent -4.5,-4.5 4.5,4.5, height 0.97
Test_Point#1 [mm]
  round 1.5 smd far side mask+0.05: 1(0,0)
Test_Point#2 [mm]
  round 1.5 smd mask+0.05: 1(0,0)
Test_Point#3 [mm]
  round 1.5 smd mask+0.05: 1(0,-0.4)
TI-RGW20-3150X3150TP_V [mm] "QFN, 20-Leads, Body 5x5mm, Pitch 0.65mm, Thermal Pad 3.15x3.15mm"
  oval 1x0.35 smd: 1(-2.4,1.3) 2(-2.4,0.65) 3(-2.4,0) 4(-2.4,-0.65) 5(-2.4,-1.3) 11(2.4,-1.3) 12(2.4,-0.65) 13(2.4,0) 14(2.4,0.65) 15(2.4,1.3)
  oval 0.35x1 smd: 6(-1.3,-2.4) 7(-0.65,-2.4) 8(0,-2.4) 9(0.65,-2.4) 10(1.3,-2.4) 16(1.3,2.4) 17(0.65,2.4) 18(0,2.4) 19(-0.65,2.4) 20(-1.3,2.4)
  rect 3.15x3.15 smd: 21(0,0)
  silkscreen extent -3.35,-2.57 2.57,2.58, body extent -2.5,-2.5 2.5,2.5, height 1
WCAP-ASLL_D6.3H5.5 [mm] "Aluminium Electrolytic V-Chip SMT Capacitors, 6.3x5.5mm"
  rect 3.5x1.6 smd: 1(2.8,0) 2(-2.8,0)
  silkscreen extent -3.4,-3.4 3.4,3.4, body extent -3.65,-3.3 3.65,3.3, height 5.5